# KiCad board SmartEnergyMag_System.kicad_pcb (continued)
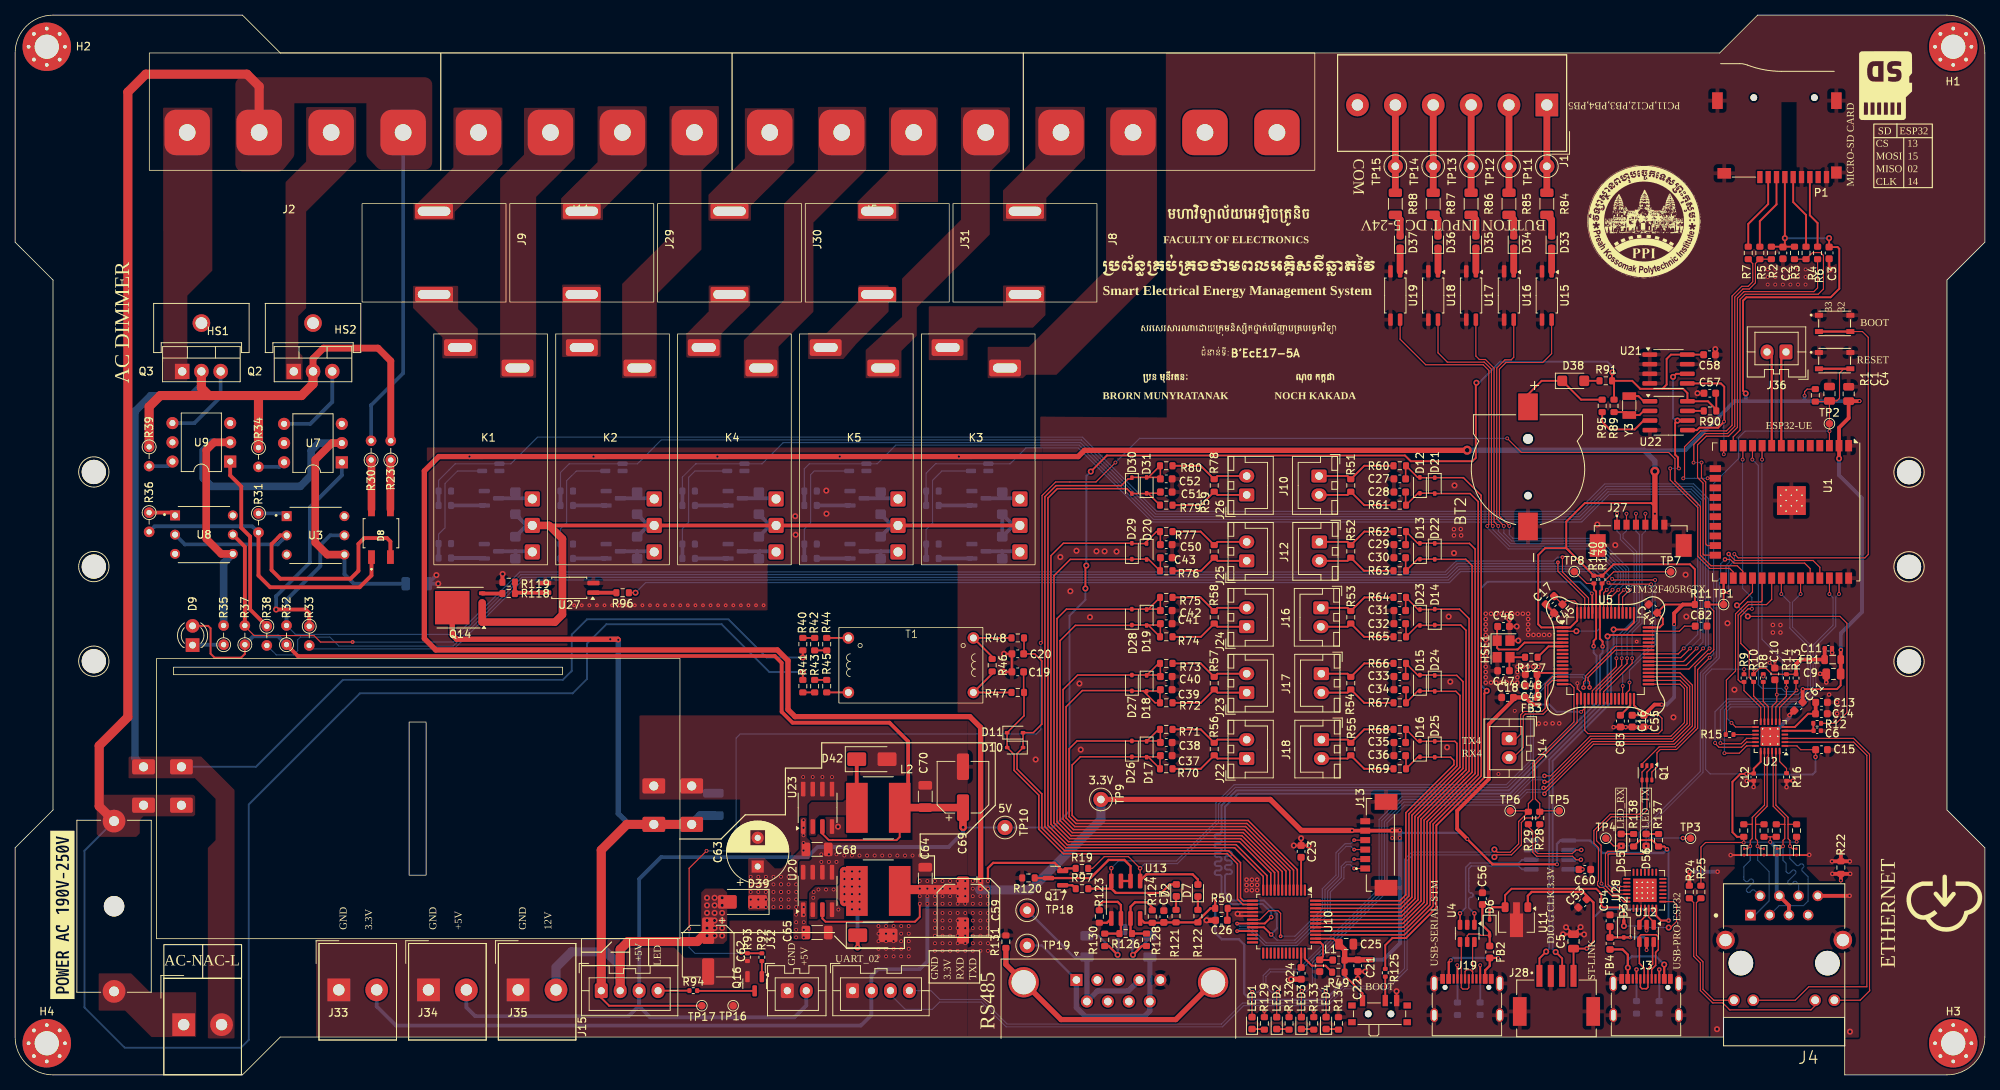
[diagram p0: board, top side]
## Nets (continued)
/IC ENERGY/IP5: C36.1 D16.1 D25.2 R69.2 U10.48
/IC ENERGY/IP6: C38.1 D17.1 D26.2 R71.2 U10.4
/IC ENERGY/IP7: C40.1 D18.1 D27.2 R73.2 U10.6
/IC ENERGY/IP8: C42.1 D19.1 D28.2 R75.2 U10.8
/IC ENERGY/IP9: C50.1 D20.1 D29.2 R77.2 U10.10
/IC ENERGY/IP10: C52.1 D30.1 D31.2 R80.2 U10.12
/IC ENERGY/NRST: C26.2 R50.1 U10.15
/IC ENERGY/Vref: C23.2 U10.2
/IC ENERGY/VT: U10.1
/REAL TIME CLOCK/SQ: R90.2 U22.7
/STM32F405/SWCLK: J28.3 U5.49
/STM32F405/SWDIO: J28.1 U5.46
/Untitled Sheet/ACTLED: J4.10 U2.2
/Untitled Sheet/LINKLED: J4.12 U2.3
/Untitled Sheet/RD+: D3.1 J4.3 R20.1 U2.23
/Untitled Sheet/RD-: D1.1 J4.6 R21.1 U2.22
/Untitled Sheet/TD+: D5.1 J4.1 R17.1 U2.21
/Untitled Sheet/TD-: D4.1 J4.2 R18.1 U2.20
/USB_UART/~{DTR}: Q1.2 Q1.4 U28.28
/USB_UART/~{RTS}: Q1.1 Q1.5 U28.24
A: F3.1 J7.4 J7.6 TP18.1
AC-L: F2.1 J21.1
AC-L_DM: F2.2 J2.1 J2.3 PS1.2 R41.1
AC-N: J21.2 PS1.1 Q2.2 Q3.2 R23.2 R34.1 R39.1 R40.1
B: F1.1 J7.1 J7.9 TP19.1
BOOT: Q1.3 R11.2 SW2.3 SW2.4 TP1.1 U1.25
BOOT0: R125.1 U5.60
EMAC_CRS_DV: R10.1 U1.12 U2.11
EMAC_MDC: U1.37 U2.13
EMAC_MDIO: R9.1 U1.30 U2.12
EMAC_RXD0: R14.1 U1.10 U2.8
EMAC_RXD1: R13.1 U1.11 U2.7
EMAC_TX_EN: U1.33 U2.16
EMAC_TXD0: U1.31 U2.17
EMAC_TXD1: U1.36 U2.18
EN: C1.1 Q1.6 R1.2 SW1.3 SW1.4 TP2.1 U1.3
GPIO2/MISO: R6.1 U1.24
GPIO4/INT: U1.26 U21.6 U22.6
GPIO12: U1.14 U21.5 U22.5
GPIO13/CS: R7.1 U1.16
GPIO14/CLK: R3.1 R4.1 U1.13
GPIO15/MOSI: R2.1 R5.1 U1.23
GPIO16: R92.2 R93.2 U1.27
GPIO34: U1.6
GPIO35: U1.7
HSE_IN: C46.1 HSE1.1 U5.5
HSE_OUT: R127.1 U5.6
IO5_RST: R15.2 U1.29
IO17_RCLK: C6.1 R12.1 U2.5
LED_A: LED1.2 U5.33
LED_B: LED2.2 U5.34
LED_C: LED3.2 U5.35
LED_D: LED4.2 U5.36
Load: J2.2 Q2.1
Load2: J2.4 Q3.1
NRST: U5.7
OUT_01: J5.1 K5.14
OUT_02: J5.3 K4.14
OUT_03: J11.1 K2.14
OUT_04: J11.3 K1.14
OUT_05: J6.3 K3.14
PA8: R100.2 R101.2 U5.41 U33.2
PB0: U5.26
PB1: U5.27
PB2: U5.28
PB3: U5.55 U17.4
PB4: U5.56 U18.4
PB5: U5.57 U19.4
PB8: R32.2 U3.5 U5.61
PB9: R37.2 U5.62 U8.5
PC5: U5.25
PC6: R104.2 R105.2 U5.37 U29.2
PC7: R108.2 R109.2 U5.38 U30.2
PC8: R112.2 R113.2 U5.39 U31.2
PC9: R116.2 R117.2 U5.40 U32.2
PC10: U5.51
PC11: U5.52 U15.4
PC12: U5.53 U16.4
PC13: R96.1 U5.2
PC14: U5.3
PC15: U5.4
PWR_BTN: J1.6
RX/SDI: J13.3 R139.2 TP7.1 U5.58 U10.20
RX_RS485: D7.2 R19.2 U5.43 U13.1
RXD_ESP: D55.1 TP4.1 U1.34 U28.26
SCL: J36.1 U1.8
SDA: J36.2 U1.9
SPI1_CS: J27.4 U5.24
SPI1_CS_SE: J13.4 U10.18
SPI1_MISO: J27.2 U5.22
SPI1_MISO_SE: J13.2 R140.2 TP8.1 U5.59 U10.19
SPI1_MOSI: J27.3 U5.23
SPI1_SCK: J27.1 U5.21
SPI1_SCK_SE: J13.1 U10.21
TIM2_CH3: R33.2 U5.29
TIM2_CH4: R38.2 U5.30
TX_RS485: D2.2 R97.2 U5.42 U13.4
TXD_ESP: D56.1 TP3.1 U1.35 U28.25
UART4_RX: J14.2 U5.15
UART4_TX: J14.1 U5.14
USART2_RX: J20.3 R28.1 TP5.1 U5.17
USART2_TX: J20.4 R29.1 TP6.1 U5.16
USB_CONN_D+: J19.A6 J19.B6 U4.6
USB_CONN_D-: J19.A7 J19.B7 U4.4
USB_CONV_D+: U4.1 U6.1
USB_CONV_D-: U4.3 U6.2
USB_ESP_D+: J3.A6 J3.B6 U12.4
USB_ESP_D-: J3.A7 J3.B7 U12.6
USB_ESPV_D+: U12.3 U28.4
USB_ESPV_D-: U12.1 U28.5
USBOTG-DN: U5.45
USBOTG-DP: U5.44
VCOM: D45.1 D46.1 D47.1 D48.1 D49.1 D50.1 D51.1 D52.1 D53.1 D54.1 K1.A3 K2.A3 K3.A3 K4.A3 K5.A3 Q14.1 Q14.2 Q14.3
VN: C20.1 D10.1 D11.2 R48.2 U10.13
VP: C19.1 D10.2 D11.1 R47.2 U10.14
Net-(BOOT1A-B): BOOT1.2 R125.2
Net-(C47-Pad1): C47.1 HSE1.3 R127.2
Net-(D2-K): D2.1 R121.2
Net-(D6-A): C56.1 D6.2 FB2.1 U4.5
Net-(D7-K): D7.1 R122.2
Net-(D8-Pad+): D8.+ R31.2 R36.2
Net-(D8-Pad-): D8.- U3.2 U8.2
Net-(D8-PadAC1): D8.AC1 R30.1
Net-(D8-PadAC2): D8.AC2 R23.1
Net-(D9-K): D9.1 R35.1
Net-(D32-A): C54.1 D32.2 FB4.1 U12.5
Net-(D33-A): D33.2 R84.2
Net-(D33-K): D33.1 U15.1
Net-(D34-A): D34.2 R85.2
Net-(D34-K): D34.1 U16.1
Net-(D35-A): D35.2 R86.2
Net-(D35-K): D35.1 U17.1
Net-(D36-A): D36.2 R87.2
Net-(D36-K): D36.1 U18.1
Net-(D37-A): D37.2 R88.2
Net-(D37-K): D37.1 U19.1
Net-(D38-A): D38.2 R91.2
Net-(D38-K): BT2.P D38.1 R95.2
Net-(D40-K): D40.1 L4.1 U20.2
Net-(D41-K-Pad1): D41.1 F1.2 R128.1
Net-(D41-K-Pad2): D41.2 F3.2 R130.1
Net-(D42-K): D42.1 L2.1 U23.2
Net-(D45-A): D45.2 K3.A1 Q4.3
Net-(D46-A): D46.2 K3.A2 Q5.3
Net-(D47-A): D47.2 K1.A1 Q6.3
Net-(D48-A): D48.2 K1.A2 Q7.3
Net-(D49-A): D49.2 K2.A1 Q8.3
Net-(D50-A): D50.2 K2.A2 Q9.3
Net-(D51-A): D51.2 K4.A1 Q10.3
Net-(D52-A): D52.2 K4.A2 Q11.3
Net-(D53-A): D53.2 K5.A1 Q12.3
Net-(D54-A): D54.2 K5.A2 Q13.3
Net-(D55-A): D55.2 R138.2
Net-(D56-A): D56.2 R137.2
Net-(FB2-Pad2): FB2.2 J19.A4 J19.A9 J19.B4 J19.B9
Net-(FB4-Pad2): FB4.2 J3.A4 J3.A9 J3.B4 J3.B9
Net-(J3-CC1): J3.A5 R81.2
Net-(J3-CC2): J3.B5 R82.2
Net-(J4-Pad9): J4.9 R25.1
Net-(J4-Pad11): J4.11 R24.1
Net-(J7-PAD): J7.0 R131.1
Net-(J8-Pin_2): J8.2 K3.13
Net-(J9-Pin_2): J9.2 K1.13
Net-(J10-Pin_1): J10.1 R51.2 R60.1
Net-(J10-Pin_2): J10.2 R51.1 R61.1
Net-(J12-Pin_1): J12.1 R52.2 R62.1
Net-(J12-Pin_2): J12.2 R52.1 R63.1
Net-(J15-Pin_4): J15.4 R94.1
Net-(J16-Pin_1): J16.1 R53.2 R64.1
Net-(J16-Pin_2): J16.2 R53.1 R65.1
Net-(J17-Pin_1): J17.1 R54.2 R66.1
Net-(J17-Pin_2): J17.2 R54.1 R67.1
Net-(J18-Pin_1): J18.1 R55.2 R68.1
Net-(J18-Pin_2): J18.2 R55.1 R69.1
Net-(J19-CC1): J19.A5 R26.2
Net-(J19-CC2): J19.B5 R27.2
Net-(J22-Pin_1): J22.1 R56.2 R70.1
Net-(J22-Pin_2): J22.2 R56.1 R71.1
Net-(J23-Pin_1): J23.1 R57.2 R72.1
Net-(J23-Pin_2): J23.2 R57.1 R73.1
Net-(J24-Pin_1): J24.1 R58.2 R74.1
Net-(J24-Pin_2): J24.2 R58.1 R75.1
Net-(J25-Pin_1): J25.1 R59.2 R76.1
Net-(J25-Pin_2): J25.2 R59.1 R77.1
Net-(J26-Pin_1): J26.1 R78.2 R79.1
Net-(J26-Pin_2): J26.2 R78.1 R80.1
Net-(J29-Pin_2): J29.2 K2.13
Net-(J30-Pin_2): J30.2 K4.13
Net-(J31-Pin_2): J31.2 K5.13
Net-(LED1-K): LED1.1 R129.2
Net-(LED2-K): LED2.1 R132.2
Net-(LED3-K): LED3.1 R133.2
Net-(LED4-K): LED4.1 R134.2
Net-(P1-CLK): P1.5 R4.2
Net-(P1-CMD): P1.3 R5.2
Net-(P1-DAT0): P1.7 R6.2
Net-(P1-DAT3): P1.2 R7.2
Net-(Q2-G): Q2.3 U7.4
Net-(Q3-G): Q3.3 U9.4
Net-(Q4-B): Q4.1 R98.2
Net-(Q5-B): Q5.1 R100.1
Net-(Q6-B): Q6.1 R102.2
Net-(Q7-B): Q7.1 R104.1
Net-(Q8-B): Q8.1 R106.2
Net-(Q9-B): Q9.1 R108.1
Net-(Q10-B): Q10.1 R110.2
Net-(Q11-B): Q11.1 R112.1
Net-(Q12-B): Q12.1 R114.2
Net-(Q13-B): Q13.1 R116.1
Net-(Q14-G): Q14.4 R118.2
Net-(Q16-B): Q16.1 R92.1
Net-(Q16-C): Q16.3 R94.2
Net-(Q17-B): Q17.1 R97.1
Net-(Q17-C): Q17.3 R120.1 U13.2 U13.3
Net-(R31-Pad1): R31.1 U3.1
Net-(R33-Pad1): R33.1 U7.1
Net-(R34-Pad2): R34.2 U7.6
Net-(R36-Pad1): R36.1 U8.1
Net-(R38-Pad1): R38.1 U9.1
Net-(R39-Pad2): R39.2 U9.6
Net-(R40-Pad2): R40.2 R42.1
Net-(R41-Pad2): R41.2 R43.1
Net-(R42-Pad2): R42.2 R44.1
Net-(R43-Pad2): R43.2 R45.1
Net-(R96-Pad2): R96.2 U27.1
Net-(R98-Pad1): R98.1 R99.1 U33.4
Net-(R102-Pad1): R102.1 R103.1 U29.4
Net-(R106-Pad1): R106.1 R107.1 U30.4
Net-(R110-Pad1): R110.1 R111.1 U31.4
Net-(R114-Pad1): R114.1 R115.1 U32.4
Net-(R118-Pad1): R118.1 R119.1 U27.4
Net-(T1-AA): R44.2 T1.1
Net-(T1-AB): R45.2 T1.2
Net-(T1-SA): R46.1 R48.1 T1.3
Net-(T1-SB): R46.2 R47.1 T1.4
Net-(U1-IO17): R12.2 U1.28
Net-(U2-RBIAS): R16.2 U2.24
Net-(U2-RXER/PHYAD0): R8.2 U2.10
Net-(U2-VDDCR): C13.2 C14.2 U2.6
Net-(U2-~{RST}): R15.1 U2.15
Net-(U5-VCAP_1): C83.1 U5.31
Net-(U5-VCAP_2): C82.1 U5.47
Net-(U6-RXD): R29.2 U6.7
Net-(U6-TXD): R28.2 U6.6
Net-(U6-V3): C60.2 U6.8
Net-(U10-AVDD): C21.2 L1.1 U10.37
Net-(U10-SEL): R49.2 U10.36
Net-(U13-A): R123.1 R126.2 R130.2 U13.6
Net-(U13-B): R124.2 R126.1 R128.2 U13.7
Net-(U22-VBAT): R95.1 U22.3
Net-(U22-X1): U22.1 Y3.2
Net-(U22-X2): R89.2 U22.2 Y3.1

Pads without a net: H1 1; H2 1; H3 1; H4 1; HS1 1; HS2 1; J3 A8 B8; J4 7; J6 1 2; J7 2 3 7 8; J19 A8 B8; P1 1 8; U1 17 18 19 20 21 22 32; U2 4 14; U3 3 6; U5 8 9 10 11 20 50 54; U6 4; U7 3 5; U8 3 6; U9 3 5; U10 22 23 24 25 26 27 28 29 30 31 32 33 34; U28 1 2 9 10 11 12 13 14 15 16 17 18 19 20 21 22 23 27; U29 1; U30 1; U31 1; U32 1; U33 1

## Via types
v1: diameter 0.8, hole 0.4, Top to Bottom, 104 vias
v2: diameter 0.5, hole 0.3, Top to Bottom, 336 vias
v3: diameter 0.6, hole 0.3, Top to Bottom, 133 vias
v4: diameter 1.2, hole 0.6, Top to Bottom, 2 vias
v5: diameter 0.5, hole 0.2, Top to Bottom, 37 vias

## Routing (per net, layer and track width the routed paths; a pad name or vN(x,y) marks a point on that pad's centre or on a via; arc(x,y) is an arc through that point)
+3.3VA: length 980.7
  Top w0.15: R1.1 236.55,90.6 236.2,90.25 v2(236.2,89.73) ; U2.9 231.91,48.69 232.54,49.31 v2(232.54,50.23) 232.54,51.94 C10.1 ; U5.64 206.19,62.26 205.85,62.6 204.7,62.6 C45.1 C17.1 ; 216.44,72.72 216.44,74.03 ; C55.1 216.98,47.51 217.38,47.1 217.38,45.55 216.92,45.08 207.61,45.08 207.19,45.5 U5.19 207.19,48.43 v2(206.71,47.96)
  Top w0.25: P1.4 v1(233.6,110.53) 233.6,109.61 C2.1 ; 213.64,30.17 214.48,31.01 216.09,31.01 216.93,30.17 217.69,30.17 v3(218.05,29.81) ; U28.6 U28.7 216.62,21.01 217.25,20.38 v3(218.25,20.38) ; C16.1 C55.1 213.68,48.82 U5.32 ; v1(239.44,110.53) C3.1 240.56,109.36 240.79,109.13 240.79,103.86 239.65,102.72 228.52,102.72 228.08,102.29 228.08,90.38 v1(228.44,90.02) ; 205.25,69.08 R140.1 R139.1 209.49,65.94 211,67.44 221.07,67.44 221.72,66.8 R11.1 217.81,62.13 C44.1 217.5,60.28 217.5,59.53 217.07,59.11 U5.48 ; 205.25,69.08 204.75,69.59 204.75,73.08 207.19,75.53 215.97,75.53 216.44,75.06 v2(216.44,74.13) ; 205.25,69.08 204.75,69.58 201.95,69.58 201.05,68.67 201.05,59.52 201.46,59.11 U5.1 205.28,59.11 206.19,60.02 U5.64 ; U20.3 106.56,20.65 106.97,20.23 118.77,20.23 119.41,20.87 v2(119.41,22.6) ; L1.2 175.49,15.16 R49.1 175.49,13.14 177.86,10.78 BOOT1.1 ; v2(235.97,50.96) 240.47,50.96 240.96,51.45 C9.2 ; R3.2 R2.2 ; U10.38 174.02,18 C25.2 ; v3(207.44,16.69) 207.44,16.68 C5.1 J28.4
  Top w0.3: U11.1 199.67,23.65 200.19,24.16 206.94,24.16 208.33,22.78 208.33,17.59 207.8,17.06 207.8,17.03 v3(207.44,16.69) ; v2(191.68,31.15) 195.02,27.81 v2(203.52,27.81) ; v2(128.41,25.6) 128.41,27.32 129.1,28.01 137.21,28.01 Q17.2 138.61,27.28 R19.1 ; U13.8 149.06,20.09 150.09,20.09 R124.1 151.57,20.09 ; C7.1 156.12,20.14 156.12,20.34 157.78,22 R50.2 158.41,23.16 v2(158.42,23.16)
  Top w0.5: v2(176.47,32.28) 176.5,32.26 J13.5 181.72,32.26 v2(181.77,32.31) 181.82,32.26 182.8,32.26 ; C9.2 240.98,52.98 FB1.2 240.98,56.12 v3(241,56.13) ; v2(217.35,48.91) 216.4,48.91 C55.1 ; R11.1 220.13,62.13 218.99,60.98 v2(218.99,59.55) ; v2(235.97,50.96) 235.94,50.93 C61.1 ; v2(243.44,89.01) 243.44,89.01 C4.1 242.03,86.77 240.75,85.49 U1.2 v1(240.75,81.42) ; FB3.2 198.07,49.86 194.51,46.3 194.51,39.07 190.35,34.9 190.35,32.48 v2(191.68,31.15) ; FB3.2 C18.1 ; FB3.2 200.26,48.94 v2(201.23,48.94)
  Top w0.7: TP9.1 165.67,36.38 169.77,32.28 v2(176.47,32.28) ; v2(127.41,24.6) 127.45,24.64 127.45,45.89 126.02,47.33 102.95,47.33 102.02,48.26 102.02,54.73 100.61,56.13 55.53,56.13 54.02,57.64 54.02,79.78 55.92,81.69 v3(59.97,81.69) v3(92.7,81.69) v3(108.84,81.69) v3(124.57,81.69) 140.32,81.69 141.14,82.5 191.64,82.5 v4(191.67,82.52) ; C25.2 175.5,16.52 L1.2 175.52,15.19 C22.1 179.08,15.19 ; v4(216.44,79.73) J27.5
  Top w1.2: L4.2 116.94,24.48 C64.1 125.09,24.48 C59.1
  Bottom w0.15: v2(232.54,50.23) 232.57,50.27 235.38,50.27 235.97,50.86 v2(235.97,50.96)
  Bottom w0.25: v2(206.71,47.96) 203.48,47.96 202.5,48.94 v2(201.23,48.94) ; v3(207.44,16.69) 208.35,17.59 208.35,20.76 209.5,21.91 215.72,21.91 217.25,20.38 v3(218.25,20.38) 218.25,29.61 v3(218.05,29.81) ; v1(239.44,110.53) v1(233.6,110.53)
  Bottom w0.3: 182.8,32.26 183.08,31.97 190.86,31.97 v2(191.68,31.15) ; v2(178.32,15.21) 175.89,15.21 175.39,14.72 175.39,12.37 172.94,9.92 163.04,9.92 162.25,10.72 162.25,17.2 161.54,17.91 159.26,17.91 158.42,18.76 v2(158.42,23.16) ; v2(203.52,27.81) 203.52,30.51 203.97,30.96 U6.5 207.9,30.96 209.55,29.31 217.57,29.31 218.05,29.78 v3(218.05,29.81)
  Bottom w0.5: 182.8,32.26 182.8,17.38 180.62,15.21 v2(178.32,15.21) ; 236.2,89.01 228.45,89.01 ; 236.2,89.01 v2(243.44,89.01) ; 236.2,89.01 v2(236.2,89.73) ; 228.45,89.01 228.45,90 v1(228.44,90.02) ; 228.45,89.01 226.97,89.01 220.49,82.52 215.01,82.52 ; v2(120.41,23.6) 120.41,14.99 119.39,13.97 113.92,13.97 113.02,13.06 113.02,7.91 111.63,6.51 50.25,6.51 47.73,9.04 J33.2 ; v2(218.99,59.55) 218.99,49.88 218.01,48.91 v2(217.35,48.91) ; v3(241,56.13) 241,58.34 243.78,61.12 243.78,76.19 240.75,79.22 v1(240.75,81.42)
  Bottom w0.7: v4(216.44,79.73) 216.44,81.09 215.01,82.52 v4(191.67,82.52) ; U31.5 v3(92.7,81.69) ; U29.5 v3(59.97,81.69) ; U33.5 v3(124.57,81.69) ; U32.5 v3(108.84,81.69) ; U30.5 v3(76.34,81.69)
  Bottom w1.2: 127.3,24.44 134.05,24.44 143.32,33.72 TP9.1
  vias: v2(119.41,25.6) v2(119.41,24.6) v2(119.41,23.6) v2(120.41,25.6) v2(120.41,24.6) v2(120.41,22.6) v2(121.41,25.6) v2(121.41,24.6) v2(121.41,23.6) v2(121.41,22.6) v2(122.41,25.6) v2(122.41,24.6) v2(122.41,23.6) v2(122.41,22.6) v2(123.41,25.6) v2(123.41,24.6) v2(123.41,23.6) v2(123.41,22.6) v2(124.41,25.6) v2(124.41,24.6) v2(124.41,23.6) v2(124.41,22.6) v2(125.41,25.6) v2(125.41,24.6) v2(125.41,23.6) v2(125.41,22.6) v2(126.41,25.6) v2(126.41,24.6) v2(126.41,23.6) v2(126.41,22.6) v2(127.41,25.6) v2(127.41,23.6) v2(127.41,22.6) v2(128.41,24.6) v2(128.41,23.6) v2(128.41,22.6) v2(179.11,15.22) v2(181.77,31.31) v2(182.77,32.31) v2(182.77,31.31)
+3V3: length 103.1
  Top w0.15: v2(235.16,30.8) 235.14,30.82 235.14,31.45 ; R13.2 231.9,52.93 231.12,53.72 230.26,53.72 R10.2 229.48,53.57 v2(229.5,53.58) ; U2.1 235.2,43.46 235.69,42.96 C15.1 237.67,42.03 v3(237.64,42.01) ; 230.85,31.45 231.67,31.45 ; 231.67,31.45 232.47,31.45 ; 231.67,31.45 v2(231.67,30.77) ; R9.2 228.21,53.59 v2(228.21,53.59) ; R25.2 222.52,30.08 223.13,30.69 v2(228.17,30.69) 228.18,30.71 228.18,31.45
  Top w0.25: 228.18,31.45 227.29,31.45 226.69,32.05 226.69,38.72 227.73,39.76 v3(228.52,39.76) 228.57,39.81 C12.2 229.49,40.45 230.41,41.37 U2.19
  Top w0.5: J4.5 234.14,22.38 J4.4 ; C11.2 238.85,56.35 FB1.1 235.68,54.86 235.08,54.27 R13.2
  Bottom w0.15: v2(235.16,30.8) 235.08,30.73 228.2,30.73 v2(228.17,30.69) ; v2(229.5,53.58) 229.49,53.59 v2(228.21,53.59) 223.96,53.59 223.14,52.78 223.14,40.36 223.75,39.76 v3(228.52,39.76)
  Bottom w0.25: v3(228.52,39.76) 228.6,39.69 237.27,39.69 237.64,40.06 v3(237.64,42.01)
  Bottom w0.5: J4.4 232.52,24 232.52,29.92 v2(231.67,30.77)
+5V: length 436.3
  Top w0.25: 210.79,91.69 210.79,92.76 v1(210.83,92.8) ; 210.79,91.69 211.06,91.42 R89.1 ; 210.79,91.69 213.45,91.69 214.51,90.63 217.44,90.63 ; v1(192.88,91.44) 192.81,91.35 192.81,81.52 192.36,81.06 184.22,81.06 183.46,81.83 144.11,81.83 v1(141.99,79.7) ; R37.1 30.32,55.61 29.83,55.11 26.33,55.11 25.8,55.64 25.8,58.99 25.48,59.31 D9.2 ; C58.2 222.87,95.16 U21.8 218.56,95.16 218,94.58 218,91.19 217.44,90.63 ; v1(141.39,67.28) 141.27,67.16 v1(141.27,64.25) ; 217.44,90.63 220.19,90.63 220.74,90.08 U22.8 223.45,88.98 224.55,87.88 R90.1 224.55,89.97 C57.2 ; L2.2 116.76,31.42 116.35,31.01 107.9,31.01 107.9,31.01 107.39,31.01 106.56,31.85 U23.3
  Top w0.5: L2.2 117.88,36.39 117.88,44.05 115.41,46.52 102.61,46.52 101.17,47.97 101.17,54.44 100.28,55.33 37.31,55.33 R32.1
  Top w1: v1(125.14,32.69) 125.11,32.72 C69.1 116.79,35.31 L2.2
  Bottom w0.25: v1(141.39,67.28) 141.39,79.11 v1(141.99,79.7) ; v1(210.83,92.8) 210.83,93.56 210.19,94.22 196.02,94.22 193.25,91.44 v1(192.88,91.44) ; v1(141.27,64.25) 141.27,62.77 139.18,60.67 139.18,34.86 136.99,32.67 TP10.1 125.16,32.67 v1(125.14,32.69)
  Bottom w0.5: v1(125.14,32.69) 125.14,32.02 123.21,30.1 105.92,30.1 104.58,28.77 85.26,28.77 82.36,25.88 J15.3 ; R37.1 31.42,57.94 34.71,57.94 R32.1 ; J15.3 82.36,9.06 83.81,7.62 102.88,7.62 104.42,9.16 J32.2 ; J15.3 82.36,9.15 80.98,7.76 60.72,7.76 59.56,8.92 J34.2
+12VA: length 34.4
  Top w1.2: C62.1 90.04,17.62 80.91,17.62 79.86,16.57 J15.2
  Bottom w1.2: J35.2 71.39,14.22 73.44,16.25 77.98,16.25 79.86,14.38 J15.2
  vias: v1(91.32,23.39) v1(91.32,22.39) v1(91.32,21.39) v1(91.32,20.39) v1(91.32,19.39) v1(91.32,18.39) v1(92.32,23.39) v1(92.32,22.39) v1(92.32,21.39) v1(92.32,20.39) v1(92.32,19.39) v1(92.32,18.39) v1(93.32,23.39) v1(93.32,22.39) v1(93.32,21.39) v1(93.32,20.39) v1(93.32,19.39) v1(93.32,18.39)
/IC ENERGY/DVDD18: length 1.9
  Top w0.25: C24.2 169.75,16.08 U10.35
GND: length 74.5
  Top w0.15: v2(232.27,54.66) 232.28,54.65 C10.2 232.28,53.75 v2(231.58,54.44) ; U5.18 206.69,50.55 206.21,51.02 v2(206.21,51.73) ; R129.1 v3(164.89,8.48) ; C17.2 C45.2 ; v2(230.75,52.63) 230.75,52.64 R8.1 ; 168.14,8.53 168.16,8.53 R132.1 ; R133.1 171.42,8.5 171.42,8.51
  Top w0.25: C3.2 239.44,106.47 v1(239.5,106.41) ; U10.16 161.58,21.5 v1(161.36,21.28) 161.63,21 U10.17 ; C57.1 v1(222.06,90.05) ; v1(177.23,12.7) 177.22,12.7 C22.2 178.2,13.65 v1(178.2,13.64) ; v3(211,45.94) 211.02,45.96 C83.2 C55.2 215.77,45.96 v3(215.8,45.94) ; v1(130.5,53.26) 130.52,53.24 C19.2 C20.2 130.55,55.62 v1(130.54,55.63) ; v1(182.35,11.05) 182.36,11.04 BOOT1.3 ; v1(198.2,59.24) C46.2 197.24,60.22 v1(197.24,60.22) ; C23.1 170.73,30.3 v1(170.74,30.29) ; C23.1 168.79,30.3 v1(168.79,30.3) ; C23.1 v1(169.75,31.25) ; v3(226.44,29.03) D4.2 D5.2 D1.2 D3.2 236.8,29.03 v3(236.82,29.06) ; HSE1.4 v1(198.41,57.37) ; C5.2 204.78,19.5 v1(204.71,19.5) ; C5.2 206.63,19.51 v1(206.63,19.52) ; C5.2 204.33,18.58 v1(204.32,18.57) 204.5,18.57 ; C5.2 207.07,18.58 v1(207.1,18.55) ; v3(202.67,60.55) 202.67,60.57 C45.2 ; C58.1 224.43,95.88 v1(224.43,95.88) ; v3(228.57,38.83) 228.59,38.85 C12.1 229.49,38.06 v3(229.47,38.03) ; 202.45,61.73 202.47,61.73 C45.2 ; C45.2 203.58,60.61 v3(203.58,60.55) ; v3(234.67,38.86) 234.65,38.84 R16.1 v3(233.82,38.01) 233.82,38.01 ; U12.2 v2(215.35,19.06)
  Top w0.3: R123.2 144.12,20.09 U13.5
  Top w0.5: 234.19,47.51 v3(234.22,47.51) C61.2 ; v3(238.26,52.98) 238.28,52.97 C9.1 239.07,51.86 v3(239.07,51.86) ; C11.1 239.82,55.8 v3(239.85,55.78) 239.82,55.81 ; R119.2 64.32,66.14 ; 241,28.21 v3(239.82,28.21) ; 241,28.21 v3(242.17,28.21) ; 241,28.21 v3(241,29.21)
  Top w0.7: 157.25,20.41 v1(157.26,20.42) C26.1 ; v1(168.42,12.63) C24.1
  Bottom w0.5: v1(55.84,64.89) 55.84,64.88 R83.2 55.61,66.01 v1(55.61,66.02) ; v3(234.22,47.51) 234.22,47.23 232.69,45.71 U2.25
  vias: v1(64.34,66.17) v1(102.97,73.81) v1(103.02,71.36) v1(107.07,77.19) v1(107.09,74.13) v1(108.62,32.78) v1(134.7,41.66) v1(137.96,68.41) v1(139.29,63.89) v1(140.1,69.24) v1(140.49,51.7) v1(140.66,42.96) v1(141.88,60.47) v1(142.74,69.17) v1(143.81,69.16) v1(145.38,69.13) v1(189.01,43.27) v1(189.23,60.54) v1(189.44,51.94) v1(189.93,68.93) v1(190,77.87) v1(208.85,72.72) v1(211.21,69.98) v1(218.89,47.23) v1(220.5,66.08) v1(220.6,60.53) v1(226.02,59.66) v1(226.94,50.88) v2(104.02,39.34) v2(105.28,39.34) v2(106.42,29.13) v2(106.42,28.13) v2(106.56,39.34) v2(107.42,29.13) v2(107.42,28.13) v2(107.83,39.34) v2(108.42,29.13) v2(108.42,28.13) v2(108.67,21.84) v2(109.45,28.97) v2(110.45,28.97) v2(111.45,28.97) v2(112.45,28.97) v2(113.45,28.97) v2(113.95,19.66) v2(113.95,18.66) v2(113.95,17.66) v2(113.95,16.66) v2(113.95,15.66) v2(114.45,28.97) v2(114.95,19.66) v2(114.95,18.66) v2(114.95,17.66) v2(114.95,16.66) v2(114.95,15.66) v2(115.45,28.97) v2(115.95,19.66) v2(115.95,18.66) v2(115.95,17.66) v2(115.95,16.66) v2(115.95,15.66) v2(116.45,28.97) v2(116.95,19.66) v2(116.95,18.66) v2(116.95,17.66) v2(116.95,16.66) v2(116.95,15.66) v2(117.45,28.97) v2(117.95,19.66) v2(117.95,18.66) v2(117.95,17.66) v2(117.95,16.66) v2(117.95,15.66) v2(118.45,28.97) v2(119.45,28.97) v2(121.41,21.38) v2(121.41,20.38) v2(121.41,19.38) v2(121.41,18.38) v2(121.41,17.38) v2(121.41,16.38) v2(122.41,21.38) v2(122.41,20.38) v2(122.41,19.38) v2(122.41,18.38) v2(122.41,17.38) v2(122.41,16.38) v2(123.41,21.38) v2(123.41,20.38) v2(123.41,19.38) v2(123.41,18.38) v2(123.41,17.38) v2(123.41,16.38) v2(124.41,21.38) v2(124.41,20.38) v2(124.41,19.38) v2(124.41,18.38) v2(124.41,17.38) v2(124.41,16.38) v2(125.41,21.38) v2(125.41,20.38) v2(125.41,19.38) v2(125.41,18.38) v2(125.41,17.38) v2(125.41,16.38) v2(126.41,21.38) v2(126.41,20.38) v2(126.41,19.38) v2(126.41,18.38) v2(126.41,17.38) v2(126.41,16.38) v2(127.41,21.38) v2(127.41,20.38) v2(127.41,19.38) v2(127.41,18.38) v2(127.41,17.38) v2(127.41,16.38) v2(128.41,21.38) v2(128.41,20.38) v2(128.41,19.38) v2(128.41,18.38) v2(128.41,17.38) v2(128.41,16.38) v2(195.8,39.75) v2(197.94,48.09) v2(231.33,106.41) v2(231.33,105.41) v2(231.33,104.41) v2(232.33,106.41) v2(232.33,105.41) v2(232.33,104.41) v2(233.33,106.41) v2(233.33,105.41) v2(233.33,104.41) v2(234.33,106.41) v2(234.33,105.41) v2(234.33,104.41) v2(235.33,106.41) v2(235.33,105.41) v2(235.33,104.41) v2(236.33,106.41) v2(236.33,105.41) v2(236.33,104.41) v3(162.55,25.79) v3(162.55,25.09) v3(162.55,24.39) v3(163.25,25.79) v3(163.25,25.09) v3(163.25,24.39) v3(163.94,25.79) v3(163.94,25.09) v3(163.94,24.39) v3(168.16,8.48) v3(171.42,8.48) v3(189.92,72.08) v3(189.92,71.26) v3(190.82,72.11) v3(190.87,71.26) v3(194.12,60.92) v3(194.12,60.22) v3(194.12,59.52) v3(194.12,58.82) v3(194.12,58.12) v3(194.12,57.42) v3(194.12,56.72) v3(194.12,56.02) v3(194.12,55.32) v3(194.12,54.62) v3(194.12,53.92) v3(194.12,53.22) v3(194.12,52.52) v3(194.12,51.82) v3(194.81,60.92) v3(194.81,51.82) v3(195.51,60.92) v3(195.51,51.82) v3(196.21,60.92) v3(196.21,51.82) v3(196.92,60.92) v3(196.89,51.82) v3(197.62,60.92) v3(197.6,51.82) v3(198.31,60.92) v3(198.3,53.92) v3(198.3,53.22) v3(198.3,52.52) v3(198.3,51.82) v3(199.01,60.92) v3(199,53.92) v3(199.71,60.92) v3(199.71,60.22) v3(199.71,59.52) v3(199.71,58.82) v3(199.71,58.12) v3(199.69,53.92) v3(200.42,58.12) v3(200.39,53.92) v3(201.12,58.12) v3(201.07,53.88) v3(201.12,46.41) v3(201.81,58.12) v3(202.02,46.41) v3(202.51,58.12) v3(202.94,46.44) v3(203.82,46.44) v3(212.6,45.94) v3(214.19,45.94) v3(232.02,59.44) v3(232.02,58.44) v3(233.02,59.44) v3(233.02,58.44) v3(239.44,50.23) v3(240.5,49.23) v3(240.5,47.73) v5(73.8,62.03) v5(74.8,62.03) v5(75.8,62.03) v5(76.8,62.03) v5(77.8,62.03) v5(78.8,62.03) v5(79.8,62.03) v5(80.8,62.03) v5(81.8,62.03) v5(82.8,62.03) v5(83.8,62.03) v5(84.8,62.03) v5(85.8,62.03) v5(86.8,62.03) v5(87.8,62.03) v5(88.8,62.03) v5(89.8,62.03) v5(90.8,62.03) v5(91.8,62.03) v5(92.8,62.03) v5(93.8,62.03) v5(94.8,62.03) v5(95.8,62.03) v5(96.8,62.03) v5(97.8,62.03) v5(98.8,62.03) v5(214.05,57.23)
GND1: length 13
  Top w0.5: R24.2 221,26.81 v3(221.02,26.84) ; R22.1 v3(239.87,26.56) ; R22.1 241,25.69 v2(240.99,25.69) ; R22.1 v3(242.22,26.56) ; v3(242.15,23.66) 242.13,23.65 J4.8
  Bottom w0.5: v3(221.02,26.84) v3(224.72,26.84)
  vias: v1(224.64,6.03) v1(242.19,5.71)
GNDPWR: length 91.4
  Top w1: U8.4 27.21,68.83 25.23,70.81 25.23,82.52 26.27,83.56 U9.2 ; U7.2 41.82,83.47 39.62,81.27 39.62,70.31 41.2,68.73 U3.4
  Bottom w0.5: U3.4 43.46,66.14 44.72,64.88 R83.1
  Bottom w1: R35.2 27.52,67.62 U8.4 ; U9.2 25.93,83.56 24.83,82.47 24.83,78.83 25.91,77.74 37.62,77.74 39.07,79.19 39.07,82.47 40.05,83.47 U7.2
VBUS: length 36.9
  Top w0.15: 212.35,20.26 212.35,19.67 v1(212.36,19.66) ; v1(218.26,19.47) 218.51,19.47 219.31,20.25 219.31,22.41 219.27,22.44 219.27,22.53 218.93,22.88 U28.8
  Top w0.25: U11.3 196.67,23.73 197.53,24.59 208.7,24.59 209.37,23.92 209.37,22.4 209.63,22.12 212.08,22.12 212.35,21.87 212.35,20.26
  Top w0.3: U11.3 194.99,22.15 194.62,21.78 D6.1
  Bottom w0.15: v1(212.36,19.66) 215.48,19.66 215.68,19.47 v1(218.26,19.47)
VCC: length 105
  Top w0.25: TP17.1 78.41,9.13 77.36,10.17 J15.1
  Top w0.7: v2(79.61,57.47) 79.55,57.55 58.3,57.55 57.7,58.14 Q14.5
  Top w1.2: J15.1 77.36,29.7 80.75,33.09 PS1.3
  Bottom w0.7: PS1.3 81.04,33.09 79.61,34.52 v2(79.61,57.47) 79.55,57.55 v2(78.56,57.55)
  Bottom w1.2: PS1.3 90.47,34.26 C71.2
VDDA: length 8
  Top w0.25: C49.1 C48.1 201.1,53.11 U5.13
  Top w0.5: FB3.1 200.91,52.9 C48.1
VSSA:
  vias: v2(97.09,26.16) v2(97.09,25.16) v2(97.09,24.16) v2(97.09,23.16) v2(97.09,22.16) v2(98.09,26.16) v2(98.09,25.16) v2(98.09,24.16) v2(98.09,23.16) v2(98.09,22.16) v2(99.09,26.16) v2(99.09,25.16) v2(99.09,24.16) v2(99.09,23.16) v2(99.09,22.16) v2(100.09,26.16) v2(100.09,25.16) v2(100.09,24.16) v2(100.09,23.16) v2(100.09,22.16) v2(101.09,26.16) v2(101.09,25.16) v2(101.09,25.16) v2(101.09,24.16) v2(101.09,24.16) v2(101.09,23.16) v2(101.09,23.16) v2(101.09,22.16) v2(101.09,22.16) v2(102.09,26.16) v2(102.09,25.16) v2(102.09,24.16) v2(102.09,23.16) v2(102.09,22.16) v2(103.09,26.16) v2(103.09,25.16) v2(103.09,24.16) v2(103.09,23.16) v2(103.09,22.16) v2(103.09,21.16) v2(103.09,20.16) v2(103.09,19.16) v2(103.09,18.16) v2(104.06,33.64) v2(104.06,32.64) v2(104.06,31.64) v2(104.06,30.64) v2(104.06,29.64) v2(104.09,22.16) v2(104.09,21.16) v2(104.09,20.16) v2(104.09,19.16) v2(104.09,18.16)
/AC Dimmer /L: length 42.5
  Bottom w0.5: R30.2 46.98,88.47 51.21,92.7 51.21,124.5
/BUTTON/BTN1: length 11.6
  Top w0.9: R84.1 J1.1
/BUTTON/BTN2: length 11.6
  Top w0.9: R85.1 J1.2
/BUTTON/BTN3: length 11.6
  Top w0.9: R86.1 J1.3
/BUTTON/BTN4: length 11.6
  Top w0.9: R87.1 J1.4
/BUTTON/BTN5: length 11.6
  Top w0.9: J1.5 R88.1
/IC ENERGY/IN1: length 87.3
  Top w0.2: C27.1 183.55,80.42 R60.2 185.12,78.94 D12.2 185.47,78.89 D21.1 191.17,78.89 193.51,76.55 193.51,39.48 187.18,33.14 187.18,22.3 183.37,18.5 U10.39
/IC ENERGY/IN2: length 77.3
  Top w0.2: U10.41 183.24,19.5 186.38,22.63 186.38,33.48 191.45,38.55 191.46,38.55 192.71,39.81 192.71,69.46 191.97,70.21 D22.1 187.36,70.23 D13.2 185.14,70.23 R62.2 183.6,70.1 C29.1
/IC ENERGY/IN3: length 66.1
  Top w0.2: C31.1 183.55,63.02 R64.2 185.19,61.48 D23.1 187.34,61.48 D14.2 190.66,61.52 191.92,60.27 191.92,40.14 191.12,39.35 191.12,39.35 185.57,33.81 185.57,22.96 183.11,20.5 U10.43
/IC ENERGY/IN4: length 55.4
  Top w0.2: C33.1 183.55,54.31 R66.2 185.13,52.82 D15.2 187.34,52.82 D24.1 190.29,52.77 191.12,51.95 191.12,40.48 184.77,34.14 184.77,23.3 182.98,21.5 U10.45
/IC ENERGY/IN5: length 44.8